# Altium PCB WiCL.PcbDoc (part 1 of 2) (continued)
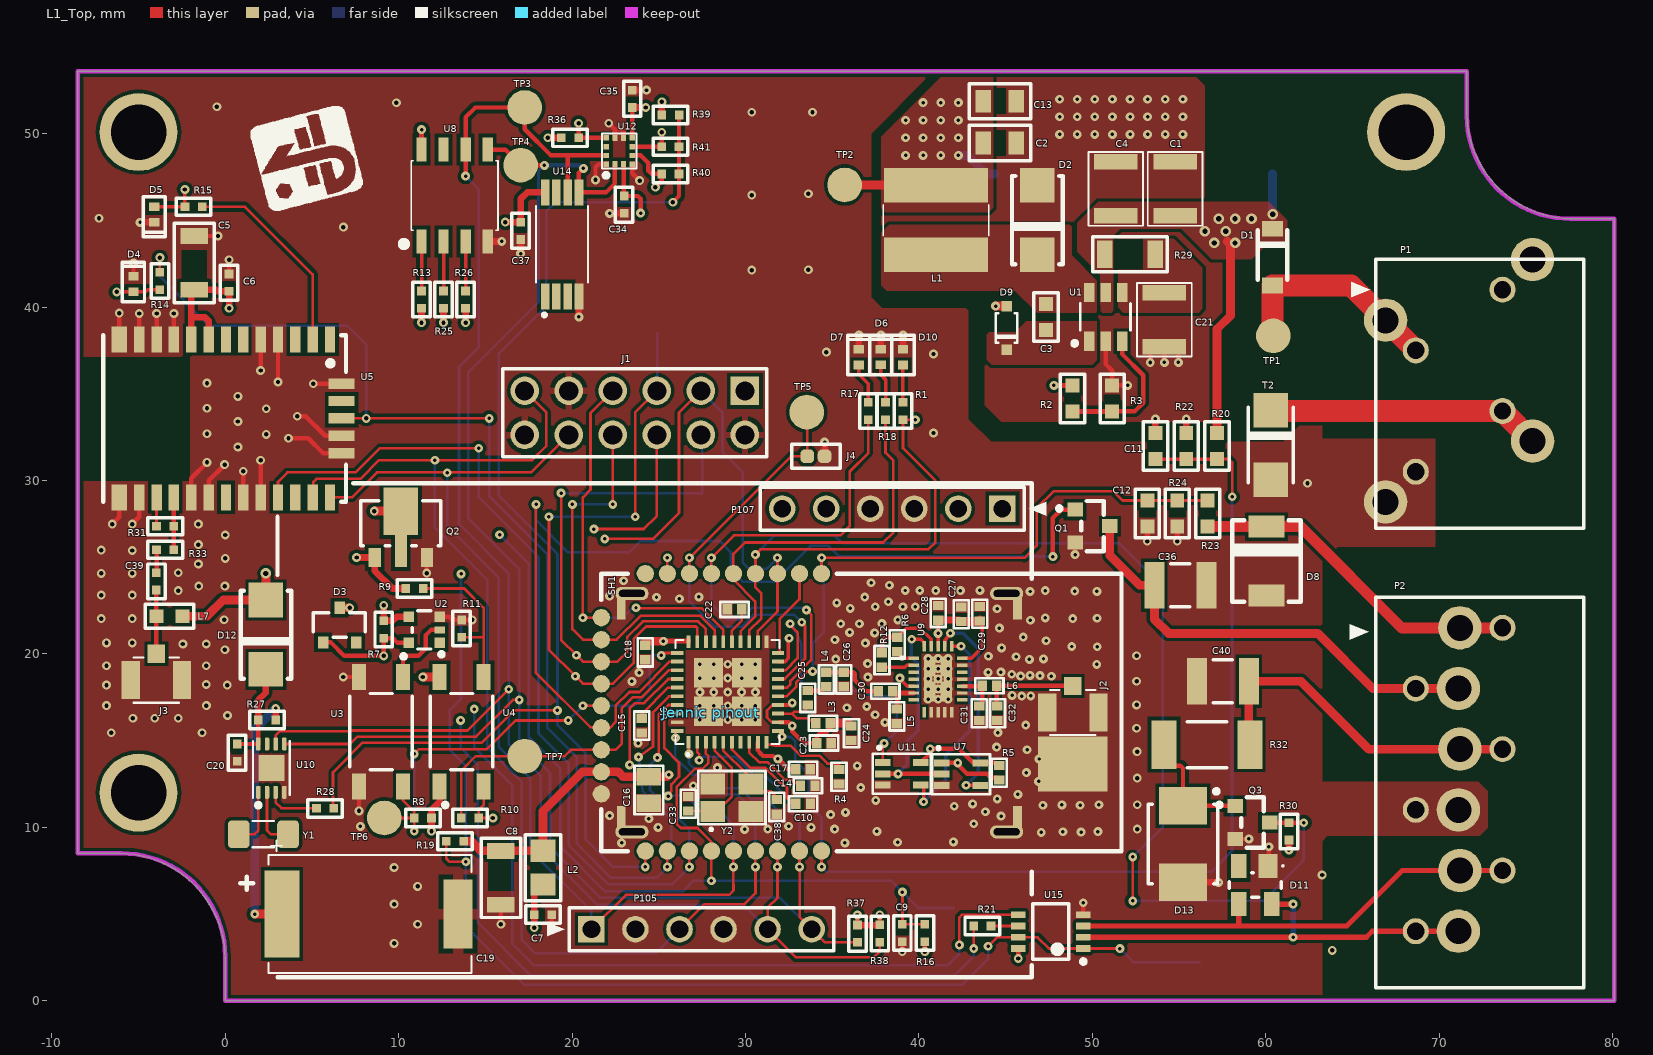
[diagram p0: L1_Top view]
## Components (designator, comment, footprint, x,y, rotation, side; value= is the part's Value field where it differs from the comment) (continued)
R38 "MCS04020C1001FE000" R0402 37.75,3.876 r90 top value=1k
R39 "MCS04020C1001FE000" R0402 25.68,51.083 r180 top value=1k
R40 "CRCW0402330RFKED" R0402 25.671,47.684 r0 top value=330
R41 "CRCW0402330RFKED" R0402 25.671,49.255 r0 top value=330
SH1 "42-100017-01" 42-100017-01(Shield) 34.259,16.617 r180 top locked
T2 "SMAJ22CA" DO-214AC 60.3,32.055 r270 top
TP1 "Test Point_2mm" "Test Point 2mm" 60.448,38.345 r0 top
TP2 "Test Point_2mm" "Test Point 2mm" 35.721,47.049 r270 top
TP3 "Test Point_2mm" "Test Point 2mm" 17.27,51.518 r90 top
TP4 "Test Point_2mm" "Test Point 2mm" 17.035,48.192 r90 top
TP5 "Test Point_2mm" "Test Point 2mm" 33.535,33.951 r0 top
TP6 "Test Point_2mm" "Test Point 2mm" 9.175,10.542 r270 top
TP7 "Test Point_2mm" "Test Point 2mm" 17.27,14.102 r90 top
TP8 "Test Point_3mm" "Test Point 3mm" 60.404,47.684 r90 bottom
TP9 "Test Point_3mm" "Test Point 3mm" 44.357,47.684 r90 bottom
TP10 "Test Point_3mm" "Test Point 3mm" 52.445,47.684 r90 bottom
TP11 "Test Point_3mm" "Test Point 3mm" 56.194,2.229 r90 bottom
TP12 "Test Point_3mm" "Test Point 3mm" 27.513,29.277 r90 bottom
TP13 "Test Point_3mm" "Test Point 3mm" 24.908,38.483 r90 bottom
TP14 "Test Point_3mm" "Test Point 3mm" 41.995,5.35 r90 bottom
U1 "MCP16301T-I/CHY" SOT-23-6 50.77,39.437 r0 top
U2 "PSSI2021SAY,115" SOT353 11.473,21.388 r0 top
U3 "LTV-357T" "4SMD(gull wing)" 8.984,15.52 r270 top
U4 "LTV-357T" "4SMD(gull wing)" 13.632,15.52 r90 top
U5 "SIM33ELA" SIM33ELA -0.034,33.587 r270 top
U6 "JN5169/001Z" QFN_JN5169_44P 28.97,17.809 r90 top
U7 "74AHC1G32GW,125" SC70_5 42.433,13.072 r270 top
U8 "M24C32-RMN6TP" 8-SOIC 13.225,46.44 r0 top
U9 "SE2431L-R" QFN_SE2431_28P 41.108,18.551 r0 top
U10 "PCF85063TP/1Z" SON9P50_200X300X80L40X24T150N 2.659,13.416 r0 top
U11 "74AHC1G32GW,125" SC70_5 39.009,13.088 r270 top
U12 "KX122-1037" KX122-1037 22.725,49.005 r90 top
U14 "ATSHA204A-XHDA-T" "TSSOP-8 (wide Body)" 19.423,43.62 r0 top
U15 "SN74LVC2G241DCTR" DCT0008A_L 47.609,3.988 r180 top
Y1 "FC-13532.7680KA-AG5" XTAL320X150X80L75X150N 2.201,9.606 r180 top value=32.768kHz
Y2 "ABM8-32.000MHZ-9-D1G-T" XTAL_3225 29.218,11.711 r0 top value=32MHz

## Footprints (in the part's own frame and the unit in brackets; to place one, negate y for a bottom-side part, rotate by r counter-clockwise, add the part's x,y. Pads: shape width x height; smd on the part's side, far side on the other; paste and mask are expansions set on the pad)
"4SMD(gull wing)" [mm]
  rect 1.5x0.8 smd: 1(-3.15,1.27) 2(-3.15,-1.27) 3(3.15,-1.27) 4(3.15,1.27)
  silkscreen extent -2.2,-1.8 2.2,1.8, body extent -3.5,-1.8 3.5,1.8, height 2
8-SOIC [mm] "IC EEPROM 32KBIT 400KHZ 8SO"
  rect 0.6x1.4 smd: 1(-1.905,-2.65) 2(-0.635,-2.65) 3(0.635,-2.65) 4(1.905,-2.65) 5(1.905,2.65) 6(0.635,2.65) 7(-0.635,2.65) 8(-1.905,2.65)
  silkscreen extent -3.1,-2.97 2.5,2, body extent -2.45,-3 2.45,3, height 1.7
42-100017-01(Shield) [mm]
  rect 0.5x1.75 smd: 1(-11.428,-6.249) 1(-11.428,6.249) 1(11.428,6.249) 1(11.428,-6.249)
  rect 1.75x0.5 smd: 1(-10.803,6.874) 1(-10.803,-6.874) 1(10.804,-6.874) 1(10.804,6.874)
"0603 INDUCTOR" [mm]
  rect 0.8x0.8 smd: 1(-0.75,0) 2(0.75,0)
  L1_Top pour cut-out: -0.254,0.508 0.254,0.508 0.254,-0.508 -0.254,-0.508
  silkscreen extent -1.4,-0.7 1.4,0.7, body extent -0.8,-0.4 0.8,0.4, height 0.8
"0603 Jumper" [mm]
  rrect70% 0.8x0.8 smd: 1(-0.5,0) 2(0.5,0)
  silkscreen extent -1.4,-0.7 1.4,0.7
"0805 INDUCTOR" [mm]
  rect 1.285x1.47 smd: 1(-0.973,0) 2(0.973,0)
  silkscreen extent -1.9,-1.02 1.91,1.02, body extent -1,-0.6 1,0.6, height 0.95
"1985218 (4pin)" [mm]
  round 1.5 hole 1: 1(0,0) 2(-3.5,5) 3(-7,0) 4(-10.5,5)
  silkscreen extent -13.75,-4.7 1.75,8.73, body extent -13.85,-4.7 1.65,7.3, height 13.1
"1985234 (6 PIN)" [mm] "Connector; Header; 6 Position"
  round 1.5 hole 1: 1(8.75,-2.5) 2(5.25,2.5) 3(1.75,-2.5) 4(-1.75,2.5) 5(-5.25,-2.5) 6(-8.75,2.5)
  silkscreen extent -12,-7.2 10.5,6.32, body extent -11.96,-7.27 10.54,4.73, height 13.4
61301221121 [mm]
  rect 1.65x1.65 hole 1.1: 1(-6.35,0)
  round 1.65 hole 1.1: 2(-6.35,2.54) 3(-3.81,0) 4(-3.81,2.54) 5(-1.27,0) 6(-1.27,2.54) 7(1.27,0) 8(1.27,2.54) 9(3.81,0) 10(3.81,2.54) 11(6.35,0) 12(6.35,2.54)
  silkscreen extent -7.62,-1.27 7.62,3.81, body extent -7.62,-1.27 7.62,3.81, height 8.57
C0402 [mm]
  rect 0.5x0.5 smd: 1(-0.5,0) 2(0.5,0)
  L1_Top pour cut-out: -0.127,0.381 0.127,0.381 0.127,-0.381 -0.127,-0.381
  silkscreen extent -1,-0.5 1,0.5, body extent -0.5,-0.26 0.5,0.27, height 0.36
C0402_1 [mil] "C0402"
  rect 21x24 smd: 1(-16.5,0) 2(16.5,0)
  L1_Top pour cut-out: -4,17 -4,-17 4,-17 4,17
  silkscreen extent -32,-17 32,17
C0603 [mm]
  rect 0.8x0.8 smd: 1(-0.75,0) 2(0.75,0)
  L1_Top pour cut-out: -0.254,0.508 0.254,0.508 0.254,-0.508 -0.254,-0.508
  silkscreen extent -1.4,-0.7 1.4,0.7, body extent -0.8,-0.42 0.8,0.44, height 0.95
C0805 [mm]
  rect 0.9x1.3 smd: 1(-0.95,0) 2(0.95,0)
  L1_Top pour cut-out: 0.381,0.762 -0.381,0.762 -0.381,-0.762 0.381,-0.762
  silkscreen extent -1.78,-1.02 1.78,1.02, body extent -1,-0.6 1,0.6, height 0.8
C0805_1 [mil] "C0805"
  rect 40x55 smd: 1(-30,0) 2(30,0)
  L1_Top pour cut-out: -10,-32.5 -10,32.5 10,32.5 10,-32.5
  silkscreen extent -55,-33 55,33
C1206 [mm]
  rect 0.9x1.6 smd: 1(-1.55,0) 2(1.55,0)
  L1_Top pour cut-out: 0.762,0.762 -0.762,0.762 -0.762,-0.762 0.762,-0.762
  silkscreen extent -2.29,-1.14 2.29,1.14, body extent -1.6,-0.8 1.6,0.8, height 0.95
C1210 [mm]
  rect 0.9x2.5 smd: 1(-1.55,0) 2(1.55,0)
  silkscreen extent -2.13,-1.58 2.12,1.57, body extent -1.6,-1.25 1.6,1.25, height 1.3
CAPC1210(3225)190_N [mm] "Chip Capacitor, Body 3.2x2.5mm, Height 1.9mm, IPC Medium Density"
  rect 1.15x2.7 smd: 1(-1.5,0) 2(1.5,0)
  silkscreen extent -0.55,-1.25 0.55,1.25, body extent -1.7,-1.35 1.7,1.35, height 1.9
DCT0008A_L [mm] "SOP, 8-Leads, Body 2.9x3.2mm, Pitch 0.65mm, IPC High Density"
  rrect25% 0.85x0.4 smd: 1(-1.875,0.975) 2(-1.875,0.325) 3(-1.875,-0.325) 4(-1.875,-0.975) 5(1.875,-0.975) 6(1.875,-0.325) 7(1.875,0.325) 8(1.875,0.975)
  silkscreen extent -2,-1.6 1.05,1.85, body extent -2.01,-1.47 2.01,1.48, height 1.3
"DO-214AA, SMB" [mil]
  rect 50x82 smd: 1(-78,0) 2(78,0)
  silkscreen extent -93,-78 93,78, body extent -110,-78 110,78, height 102
DO-214AC [mm]
  rect 2x2 smd: 1(-2,0) 2(2,0)
  silkscreen extent -2.16,-1.3 2.16,1.3, body extent -2.5,-1.38 2.5,1.32, height 2.25
"DO-214AC, SMA" [mm]
  rect 2x2 smd: 1(-2,0) 2(2,0)
  silkscreen extent -2.54,-1.46 2.54,1.46, body extent -2.5,-1.35 2.5,1.35, height 2.25
ELNA_DSK-3R3H334T-HL [mm]
  rect 5x2 smd: 1(0,5.075)
  rect 4x1.7 smd: 2(0,-5.075)
  silkscreen extent -3.4,-5.85 4.25,5.85, body extent -3.4,-5.84 3.4,5.86, height 2.8
FP-CRCW2010-e3-MFG [mm]
  rect 1.45x2.8 smd paste+0 mask+0: 1(-2.475,0) 2(2.475,0)
  silkscreen extent -1.14,-1.33 1.15,1.33, body extent -3.3,-1.5 3.3,1.5, height 0.25
HDR1X6 [mm]
  rect 1.53x1.53 hole 1.02: 1(-6.35,0)
  round 1.53 hole 1.02: 2(-3.81,0) 3(-1.27,0) 4(1.27,0) 5(3.81,0) 6(6.35,0)
  silkscreen extent -8.89,-1.25 7.62,1.24, body extent -7.62,-1.24 7.62,1.24, height 8.38
HIROSE_U.FL-R-SMT [mm]
  rect 1x1.05 smd: 1(0,-1.525)
  rect 1.05x2.2 smd: 2(-1.475,0) 2(1.475,0)
  silkscreen extent -1.3,-1.3 1.3,1.3, body extent -1.5,-1.53 1.5,1.57, height 1.25
"JN516X PINOUT" [mm]
  round 1 smd: 1(-8,6.35) 2(-8,5.08) 3(-8,3.81) 4(-8,2.54) 5(-8,1.27) 6(-8,0) 7(-8,-1.27) 8(-8,-2.54) 9(-8,-3.81) 10(-5.46,-6.35) 11(-4.19,-6.35) 12(-2.92,-6.35) 13(-1.65,-6.35) 14(-0.38,-6.35) 15(0.89,-6.35) 16(2.16,-6.35) 17(3.43,-6.35) 18(4.7,-6.35) 19(8,-3.81) 20(8,-2.54) 21(8,-1.27) 22(8,0) 23(8,1.27) 24(8,2.54) 25(8,3.81) 26(8,5.08) 27(8,6.35)
  silkscreen extent -8,-6.35 8,23.65
KX122-1037 [mm]
  rect 0.325x0.3 smd: 1(-0.763,0.75) 2(-0.75,0.25) 3(-0.75,-0.25) 4(-0.763,-0.75) 7(0.763,-0.75) 8(0.75,-0.25) 9(0.75,0.25) 10(0.763,0.75)
  rect 0.3x0.325 smd: 5(-0.25,-0.75) 6(0.25,-0.75) 11(0.25,0.75) 12(-0.25,0.75)
  silkscreen extent -1.52,-1 1,1, body extent -1,-1 1,1, height 1
LED0402(BLUE) [mm]
  rect 0.5x0.6 smd: 1(-0.45,0) 2(0.45,0)
  silkscreen extent -1.27,-0.64 1.02,0.64, body extent -0.5,-0.3 0.5,0.3, height 0.2
LED0402(GREEN) [mm]
  rect 0.5x0.6 smd: 1(-0.45,0) 2(0.45,0)
  silkscreen extent -1.27,-0.64 1.02,0.64, body extent -0.5,-0.3 0.5,0.3, height 0.2
LED0402(RED) [mm]
  rect 0.5x0.6 smd: 1(-0.45,0) 2(0.45,0)
  silkscreen extent -1.27,-0.63 1.02,0.64, body extent -0.5,-0.25 0.51,0.25, height 0.45
LFUS-SOT143-4_V [mm] "SOT143, 4-Leads, Body 3.04x1.4mm, Pitch 1.90mm"
  rect 1.4x1.1 smd: 1(-1.1,0.75)
  rect 1.4x0.9 smd: 2(-1.1,-0.95) 3(1.1,-0.95) 4(1.1,0.95)
  silkscreen extent -1.15,-1.5 0.7,1.65, body extent -0.7,-1.52 0.7,1.52, height 1.22
MSS6132-153MLC [mm]
  rect 2x6 smd: 1(-2,0) 2(2,0)
  silkscreen extent -0.89,-3.05 0.89,3.05, body extent -3.05,-3.05 3.05,3.05, height 2.85
ONSC-SMB-2-403A-03_H_V [mm] "Molded, 2-Leads, Body 4.6x3.95mm"
  rect 2.159x2.743 smd: 1(-2.21,0) 2(2.21,0)
  silkscreen extent -3.16,-2 2.3,2.05, body extent -2.3,-1.98 2.3,1.97, height 2.42
QFN_JN5169_44P [mm] "QFN_JN5169_44P"
  rect 0.7x0.22 smd: 1(-2.9,2.25) 2(-2.9,1.75) 3(-2.9,1.25) 4(-2.9,0.75) 5(-2.9,0.25) 6(-2.9,-0.25) 7(-2.9,-0.75) 8(-2.9,-1.25) 9(-2.9,-1.75) 10(-2.9,-2.25) 21(2.9,-2.25) 22(2.9,-1.75) 23(2.9,-1.25) 24(2.9,-0.75) 25(2.9,-0.25) 26(2.9,0.25) 27(2.9,0.75) 28(2.9,1.25) 29(2.9,1.75) 30(2.9,2.25)
  rect 0.22x0.7 smd: 11(-2.25,-2.9) 12(-1.75,-2.9) 13(-1.25,-2.9) 14(-0.75,-2.9) 15(-0.25,-2.9) 16(0.25,-2.9) 17(0.75,-2.9) 18(1.25,-2.9) 19(1.75,-2.9) 20(2.25,-2.9) 31(2.25,2.9) 32(1.75,2.9) 33(1.25,2.9) 34(0.75,2.9) 35(0.25,2.9) 36(-0.25,2.9) 37(-0.75,2.9) 38(-1.25,2.9) 39(-1.75,2.9) 40(-2.25,2.9)
  rect 1.7x1.7 smd: 41(-1.1,-1.1) 41(-1.1,1.1) 41(1.1,-1.1) 41(1.1,1.1)
  silkscreen extent -3.63,-3 3,3
QFN_SE2431_28P [mm] "QFN_SE2431_28P"
  rect 0.6x0.2 smd: 1(-1.4,1.2) 2(-1.4,0.8) 3(-1.4,0.4) 4(-1.4,0) 5(-1.4,-0.4) 6(-1.4,-0.8) 7(-1.4,-1.2) 13(1.4,-1.2) 14(1.4,-0.8) 15(1.4,-0.4) 16(1.4,0) 17(1.4,0.4) 18(1.4,0.8) 19(1.4,1.2)
  rect 0.2x0.6 smd: 8(-0.8,-1.9) 9(-0.4,-1.9) 10(0,-1.9) 11(0.4,-1.9) 12(0.8,-1.9) 20(0.8,1.9) 21(0.4,1.9) 22(0,1.9) 23(-0.4,1.9) 24(-0.8,1.9)
  rect 0.65x1.15 smd: 25(-0.475,0.725) 25(-0.475,-0.725) 25(0.475,-0.725) 25(0.475,0.725)
  silkscreen extent -2.11,1.19 -2.06,1.24
R0402 [mm]
  rect 0.5x0.5 smd: 1(-0.5,0) 2(0.5,0)
  L1_Top pour cut-out: -0.127,0.381 0.127,0.381 0.127,-0.381 -0.127,-0.381
  silkscreen extent -1,-0.5 1,0.5, body extent -0.5,-0.25 0.5,0.25, height 0.4
R0603 [mm]
  rect 0.8x0.8 smd: 1(-0.75,0) 2(0.75,0)
  L1_Top pour cut-out: -0.254,0.508 0.254,0.508 0.254,-0.508 -0.254,-0.508
  silkscreen extent -1.4,-0.7 1.4,0.7, body extent -0.77,-0.42 0.78,0.43, height 0.45
R1206 [mm]
  rect 0.9x1.6 smd: 1(-1.45,0) 2(1.45,0)
  L1_Top pour cut-out: -0.762,0.889 -0.762,-0.889 0.762,-0.889 0.762,0.889
  silkscreen extent -2.16,-1.02 2.16,1.02, body extent -1.6,-0.8 1.6,0.8, height 0.55
SC70_5 [mm] "SC70_5"
  rect 0.4x0.9 smd: 1(-0.65,-1.1) 2(0,-1.1) 3(0.65,-1.1) 4(0.65,1.1) 5(-0.65,1.1)
  silkscreen extent -1.56,-1.68 1.15,1.68
SIM33ELA [mm]
  rect 1.5x0.6 smd: 1(-4.55,6.075) 2(-4.55,5.075) 3(-4.55,4.075) 4(-4.55,3.075) 5(-4.55,2.075) 6(-4.55,1.075) 7(-4.55,0.075) 8(-4.55,-0.925) 9(-4.55,-1.925) 10(-4.55,-2.925) 11(-4.55,-3.925) 12(-4.55,-4.925) 15(4.55,-4.925) 16(4.55,-3.925) 17(4.55,-2.925) 18(4.55,-1.925) 19(4.55,-0.925) 20(4.55,0.075) 21(4.55,1.075) 22(4.55,2.075) 23(4.55,3.075) 24(4.55,4.075) 25(4.55,5.075) 26(4.55,6.075)
  rect 1.5x0.9 smd: 13(-4.55,-6.075) 14(4.55,-6.075)
  rect 0.6x1.5 smd: 27(2,6.75) 28(1,6.75) 29(0,6.75) 30(-1,6.75) 31(-2,6.75)
  silkscreen extent -4.8,-7 4.8,7, body extent -4.8,-7.1 4.8,6.87, height 2.25
SOD123 [mm]
  rect 0.91x1.22 smd: 1(-1.635,0.028) 2(1.635,0.028)
  silkscreen extent -1.54,-0.82 1.31,0.88, body extent -1.85,-0.77 1.85,0.78, height 1.35
SOD-323 [mm]
  rect 0.6x0.6 smd: 1(-1.25,-0.01) 2(1.25,-0.01)
  L1_Top pour cut-out: -0.254,0.508 0.381,0.508 0.381,-0.508 -0.254,-0.508
  silkscreen extent -0.85,-0.63 0.85,0.63, body extent -1.25,-0.64 1.25,0.61, height 0.98
SON9P50_200X300X80L40X24T150N [mm] "Small Outline No-Lead (SON with Tab), 0.50 mm pitch; 8 pin, 2.00 mm L X 3.00 mm W X 0.80 mm H body"
  rrect54% 0.26x0.74 smd: 1(-0.75,-1.395) 2(-0.25,-1.395) 3(0.25,-1.395) 4(0.75,-1.395) 5(0.75,1.395) 6(0.25,1.395) 7(-0.25,1.395) 8(-0.75,1.395)
  rect 1.5x1.5 smd paste-1.5: 9(0,0)
  silkscreen extent -1.06,-2.26 1.06,1.55, body extent -1,-1.55 1,1.55, height 0.8
SOT353 [mm]
  rect 0.6x0.6 smd: 1(0.9,-0.75) 3(0.9,0.75) 4(-0.9,0.75) 5(-0.9,-0.75)
  rect 0.6x0.4 smd: 2(0.9,0)
  silkscreen extent -0.67,-1.1 0.38,1.1, body extent -1.15,-1.05 1.15,1.05, height 1
"SOT 89-3" [mm]
  rect 0.7x1.1 smd: 1(1.5,-1.338) 2(0,-1.338) 3(-1.5,-1.338)
  rect 0.7x0.75 smd: 2(0,-0.413)
  rect 2x2.75 smd: 2(0,1.337)
  silkscreen extent -2.3,-0.67 2.3,1.93, body extent -2.25,-1.68 2.25,2.57, height 1.54
SOT-23(TO-236AB) [mm]
  rect 0.6x0.7 smd: 1(-0.95,-1) 2(0.95,-1) 3(0,1)
  silkscreen extent -1.52,-0.7 1.48,0.7, body extent -1.45,-1.21 1.45,1.21, height 0.98
SOT-23-3 [mm]
  rect 0.8x0.9 smd: 1(-0.95,-1) 2(0.95,-1) 3(0,1)
  silkscreen extent -1.45,-2.03 1.45,0.65, body extent -1.46,-1.25 1.46,1.23, height 1.01
SOT-23-6 [mm]
  rect 0.6x1.1 smd: 1(-0.95,-1.4) 2(0,-1.4) 3(0.95,-1.4) 4(0.95,1.4) 5(0,1.4) 6(-0.95,1.4)
  silkscreen extent -1.9,-1.65 1.44,0.78, body extent -1.45,-1.4 1.45,1.4, height 1.45
"Test Point 2mm" [mm]
  round 2 smd: 1(0,0)
"Test Point 3mm" [mm]
  round 3 smd: 1(0,0)
"TSSOP-8 (wide Body)" [mm]
  rect 0.5x1.51 smd: 1(-0.975,-3) 2(-0.325,-3) 3(0.325,-3) 4(0.975,-3) 5(0.975,3) 6(0.325,3) 7(-0.325,3) 8(-0.975,3)
  silkscreen extent -1.5,-4.16 1.5,2.2, body extent -1.5,-3.2 1.5,3.2, height 1.2
U.FL-R-SMT-1(10) [mm]
  rect 1x1.05 smd: 1(0,-1.525)
  rect 1.05x2.2 smd: 2(-1.475,0) 2(1.475,0)
  silkscreen extent -1.3,-1.3 1.3,1.3, body extent -1.5,-1.53 1.5,1.57, height 1.25
XTAL320X150X80L75X150N [mm] "CRYSTAL; 3.20 mm L X 1.50 mm W X 0.80 mm H body"
  rrect40% 1.26x1.61 smd: 1(-1.425,0) 2(1.425,0)
  silkscreen extent -0.62,-0.75 0.62,0.75, body extent -1.6,-0.75 1.6,0.75, height 0.8
XTAL_3225 [mil] "XTAL_3225"
  rect 56x48 smd: 1(-43.31,-31.5) 2(43.31,-31.5) 3(43.31,31.5) 4(-43.31,31.5)
  silkscreen extent -76,-73 76,60

## Part data
C1 C4 C21: library part UMK325B7475KM-T, "CAP CER 4.7UF 50V X7R 1210", RATING=50V, MFT="Taiyo Yuden", MPN=UMK325B7475KM-T, TYPE=SMD
C2 C13: library part JMK212B7106KG-T, "CAP CER 10UF 6.3V X7R 0805", RATING=6.3V, MFT="Taiyo Yuden", MPN=JMK212B7106KG-T, TYPE=SMD
C3: library part 06033C104JAT2A, "CAP CER 0.1UF 25V X7R 0603", RATING=25V, MFT="Kyocera AVX", MPN=06033C104JAT2A, TYPE=SMD
C5 C8: "CAP CER 10UF 16V X7R 1206", RATING=16V, MFT="Murata Electronics North America", MPN=GRM31CR71C106KAC7L, TYPE=SMD
C6 C7 C9 C20 C34 C35 C37: "CAP CER 0.1UF 50V X7R 0402", RATING=50V, MFT="Murata Electronics North America", MPN=GRM155R71H104ME14D, TYPE=SMD
C10 C15 C17 C18 C22 C23 C27: "CAP CER 0.1UF 10V 10% X5R 0402", RATING=10V, MFT="Murata Electronics North America", MPN=GRM155R61A104KA01D, TYPE="Surface Mount"
  C22: LOAD=DNP
C11 C12: "CAP CER 0.22UF 50V X7R 0603", RATING=50V, MFT="Murata Electronics North America", MPN=GCM188R71H224KA64D, TYPE="Surface Mount, MLCC"
C14: "CAP CER 10000PF 25V X7R 0402", RATING=25V, MFT="Murata Electronics North America", MPN=GRM155R71E103KA01D, TYPE=SMD
C16: "CAP CER 10UF 10V X5R 0805", RATING=10V, MFT=Murata, MPN=GRT21BR61A106KE01L, TYPE=SMD
C19: "CAP 330MF -20% +80% 3.3V SMD", RATING=3.3V, APN=CY-330M33A-X1-Z, MFT=Elna, MPN=DSK-3R3H334T-HL, TYPE=SMD
C24: "CAP CER 47PF 50V C0G/NP0 0402", RATING=50V, MFT=Murata, MPN=GRM1555C1H470JA01D, TYPE=SMD
C25: "CAP CER 1.8PF 50V C0G/NP0 0402", RATING=50V, MFT=Murata, MPN=GRM1555C1H1R8CA01D, TYPE=SMD
C26: "CAP CER 1PF 50V C0G/NP0 0402", RATING=50V, MFT=Murata, MPN=GRM1555C1H1R0CA01D, TYPE=SMD
C28 C29: "CAP CER 10PF 50V 5% NP0 0402", RATING=50V, MFT="Murata Electronics North America", MPN=GRM1555C1H100JA01D, TYPE="Surface Mount"
C30 C31 C32: "CAP CER 1.2PF 50V C0G/NP0 0402", RATING=50V, MFT=Murata, MPN=GRM1555C1H1R2CA01D, TYPE=SMD
C33 C38: "CAP CER 12PF 50V C0G/NP0 0402", RATING=50V, MFT=Murata, MPN=GRM1555C1H120JA01D, TYPE=SMD
C36 C40: library part CMP-1038-01323-1, "CAP 22nF 500V ±10% 1210 (3225 Metric) Thickness 1.9mm SMD", Case-EIA=1210, Case-Metric=3225, Rated Voltage="500 V", Tolerance=Â±10%, Max Thickness="1.9 mm", Technology=SMT
C39: "CAP CER 22PF 50V NP0 0402", RATING=50V, FUNCTION=GPS, MFT="Murata Electronics North America", MPN=GRM1555C1H220JA01J, TYPE=SMD
D1: "DIODE SCHOTTKY 20V 0.5A SOD123", Capacitance=2.2µF, Capacitance @ Vr, F=-, Current - Average Rectified (Io)=500mA, Current - Reverse Leakage @ Vr="250µA @ 20V", Manufacturer="Fairchild Semiconductor", Operating Temperature="-55°C ~ 125°C", Operating Temperature - Junction="-65°C ~ 125°C", Package / Case=SOD-123, Ratings=AEC-Q200, Supplier Part Number 1=MBR0520LCT-ND, Temperature Coefficient=X7S, Tolerance=±20%, Voltage - DC Reverse (Vr) (Max)=20V, Voltage - Forward (Vf) (Max) @ If="385mV @ 500mA", Voltage - Rated=100V, Applications=Automotive, Category="Discrete Semiconductor Products", ComponentLink1Description=http://www.fairchildsemi.com/datasheets/MB/MBR0520L.pdf, ComponentLink1URL=http://www.fairchildsemi.com/datasheets/MB/MBR0520L.pdf, ComponentLink2Description=https://product.tdk.com/info/en/catalog/datasheets/mlcc_automotive_midvoltage_en.pdf, ComponentLink2URL=https://product.tdk.com/info/en/catalog/datasheets/mlcc_automotive_midvoltage_en.pdf, Diode Type=Schottky, Features=-, Height - Seated (Max)=-, Lead Spacing=-, Lead Style=-, Manufacturer Part Number=MBR0520L, Mounting Type="Surface Mount", Packaging="Cut Tape (CT)", Pricing 1="1=0.26, 10=0.232, 25=0.1668, 100=0.1297, 250=0.08152, 500=0.06946, 1000=0.04732 (GBP)", Pricing 2="1=0.84, 10=0.804, 100=0.39, 250=0.324, 500=0.294, 1000=0.27 (USD)", Reverse Recovery Time (trr)=-, RoHS="RoHS Compliant", Size / Dimension="0.126\" L x 0.063\" W (3.20mm x 1.60mm)", Speed="Fast Recovery =< 500ns, > 200mA (Io)", Stock 1=251227, Stock 2=9462, Supplier 1=Digi-Key, Supplier 2=Digi-Key, Supplier Device Package=SOD-123, Thickness (Max)="0.071\" (1.80mm)"
D2 D12: library part B140-13-F, "DIODE SCHOTTKY 40V 1A SMA", RATING=40V, MFT=Diodes, MPN=B140-13-F, TYPE=SMD
D3: "DIODE ZENER 3V 250MW TO236AB", Current - Reverse Leakage @ Vr="10µA @ 1V", Manufacturer="NXP Semiconductors", Operating Temperature="-65°C ~ 150°C", Package / Case="TO-236-3, SC-59, SOT-23-3", Power - Max=250mW, Supplier Device Package="SOT-23 (TO-236AB)", Supplier Part Number 1=568-6326-1-ND, Tolerance=±5%, Voltage - Forward (Vf) (Max) @ If="900mV @ 10mA", Voltage - Zener (Nom) (Vz)=3V, Category="Discrete Semiconductor Products", ComponentLink1Description=http://www.nxp.com/documents/data_sheet/BZX84_SER.pdf, ComponentLink1URL=http://www.nxp.com/documents/data_sheet/BZX84_SER.pdf, Impedance (Max) (Zzt)="95 Ohm", Manufacturer Part Number=BZX84-C3V0,215, Mounting Type="Surface Mount", Packaging="Cut Tape (CT)", Pricing 1="1=0.16, 10=0.149, 25=0.1352, 100=0.0973, 250=0.05732, 500=0.04756, 1000=0.03245 (USD)", RoHS="RoHS Compliant", Stock 1=18717, Supplier 1=Digi-Key
D4: library part VLMB1500-GS08, "LED BLUE 0402 SMD", LOAD=DNP, MFT="Vishay Semiconductor Opto Division", MPN=VLMB1500-GS08, TYPE=SMD
D5: library part XZVG68W-2, "LED GREEN CLEAR CHIP SMD", LOAD=DNP, MFT=SunLED, MPN=XZVG68W-2, TYPE=SMD
D6: "LED BLUE 0402 SMD", MFT="Vishay Semiconductor Opto Division", MPN=VLMB1500-GS08, TYPE=SMD
D7: "LED RED 0402 SMD", MFT="Vishay Semiconductor Opto Division", MPN=VLMS1500-GS08, TYPE=SMD
D8: "TVS DIODE 33VWM 53.3VC SMB", RATING=33V, MFT="Micro Commercial Co", MPN=SMBJ33A-TP, TYPE="Surface Mount"
D9: "DIODE GEN PURP 75V 250MA SOD323", RATING=75V, MFT=Diodes, MPN=1N4448WS-7-F, TYPE=SMD
D10: "LED GREEN CLEAR CHIP SMD", MFT=SunLED, MPN=XZVG68W-2, TYPE=SMD
D11: library part CMP-2000-05191-1, "TVS Diode Array, 30 pF, 30 KV, -40 to 85 degC, 4-Pin SOT143, RoHS, Tape and Reel", Capacitance Value=30pF, Clamping Voltage=8V, Leakage Current=0.1uA, Manufacturer=Littelfuse, Operating Temp Range=-40Cto85C, Operating Temperature Classification=Industrial, Operating Temperature Max Deg. C=85C, Operating Temperature Min Deg. C=-40C, Package / Case=SOT-143, Reverse Stand-off Voltage=5.5(Min)V, Working Voltage=5.5V, Working Voltage (Max)=5.5V(Min), Clamping Voltage (Max)=8V, Configuration=Triple, Datasheet URL=https://datasheet.ciiva.com/15143/getdatasheetpartid-116020-15143550.pdf, Datasheet Version=Dec-13, Direction Type=Uni-Directional, Leakage Current (Max)=0.1uA, Manufacturer URL=http://www.littelfuse.com/, Mounting=SurfaceMount, Mounting Style=SurfaceMount, Number of Elements=3, Package Type=SOT-143, Packaging=TapeandReel, Pin Count=3+Tab, Polarity=Uni-Directional, Product Depth (mm)=1.4mm, Product Height (mm)=1.05mm, Product Length (mm)=3.04mm, Rad Hardened=No, Suppressor Type=TVS
D13: library part CMP-1060-00216-1, "3 W Zener Voltage Regulator, 2-Pin SMB, Pb-Free, Tape and Reel", Manufacturer="On Semiconductor", ComponentLink1Description="Manufacturer URL", ComponentLink1URL=http://www.onsemi.com/, ComponentLink2Description=Datasheet, ComponentLink2URL=http://www.onsemi.com/pub_link/Collateral/1SMB5913BT3-D.PDF, ComponentLink3Description="Package Specification", ComponentLink3URL=http://www.onsemi.com/pub_link/Collateral/1SMB5913BT3-D.PDF, DatasheetVersion="Rev. 8", Mounting Technology="Surface Mount", PackageDescription="2-Pin Small Molded Package, J-Bend Lead, Body 4.33 x 3.625 mm", PackageReference=SMB-2-403A-03_H, PackageVersion="Rev. H, 05/2011", Packing="Tape and Reel", PartNumber=SZ1SMB5925BT3G, RoHS=Pb-Free, VZ Typ (V)=10
J1: library part 61301221121, "CONN HEADER VERT 12POS 2.54MM", MFT="Wurth Electronics", MPN=61301221121, TYPE=TH
J2: "RF Connectors / Coaxial Connectors SMT MALE RECEPT AU", APN=JX-001UFL-80, MFT=Hirose, MPN=U.FL-R-SMT-1(80), TYPE=SMD
J3: "CONN UMC JACK STR 50 OHM SMD", FUNCTION=GPS, MFT="Hirose Electric Co Ltd", MPN=U.FL-R-SMT-1(10)
L1: library part MSS6132-153MLC, "Fixed Inductors MSS6132 AEC-Q200 15 uH 20 % 2.2 A", MFT=Coilcraft, MPN=MSS6132-153MLC, TYPE=SMD
L2: "FERRITE CHIP 120 OHM 0805", RATING=3A, MFT="Murata Electronics North America", MPN=BLM21PG121SN1D, TYPE="Surface Mount"
L3: "FIXED IND 3NH 190MA 400 MOHM SMD", APN=LZ-00030-L7-00, MFT=Murata, MPN=LQP15MN3N0B02D, TYPE=SMD
L4: "FIXED IND 4.3NH 160MA 600 MOHM", APN=LZ-00431-L7-00, MFT=Murata, MPN=LQP15MN4N3B02D
L5: "Inductor RF Chip ThFIXED IND 5.1NH 140MA 700 MOHM", APN=LZ-00511-L7-00, MFT=Murata, MPN=LQP15MN5N1B02D, TYPE=SMD
L6: "FIXED IND 2.7NH 220MA 300 MOHM", APN=LZ-00271-L7-00, MFT=Murata, MPN=LQP15MN2N7B02D, TYPE=SMD
L7: "FIXED IND 33NH 100MA 2.8 OHM SMD", RATING="100MA 2.8 OHM", FUNCTION=GPS, MFT="Murata Electronics North America", MPN=LQP18MN33NG02D, TYPE=SMD
P1: "Fixed Terminal Blocks PTSA 1.5/4-3.5-Z", MFT="Phoenix Contact", MPN=1985218, TYPE="Through Hole"
P2: "TERM BLOCK PCB 6POS 3.5MM GREEN", MFT="Phoenix Contact", MPN=1985234, TYPE="Through Hole"
P105 P107: "CONN HEADER 6POS .100 VERT TIN", FUNCTION=TOP, MFT="Molex Inc", MPN=0022284060, TYPE=TH
Q1 Q3: "IC INDCT LOAD DRVR AUTO SOT23", FUNCTION="PWM OUT", MFT="ON Semiconductor", MPN=NUD3124LT1G, TYPE="Surface Mount"
Q2: "TRANS NPN MED 1A 80V SOT89", Current - Collector (Ic) (Max)=1A, Current - Collector Cutoff (Max)=-, DC Current Gain (hFE) (Min) @ Ic, Vce="100 @ 150mA, 2V", Frequency - Transition=180MHz, Manufacturer="NXP Semiconductors", Package / Case=TO-243AA, Power - Max=1.25W, Supplier Device Package=SOT-89-3, Supplier Part Number 1=568-1642-1-ND, Voltage - Collector Emitter Breakdown (Max)=80V, Category="Discrete Semiconductor Products", ComponentLink1Description=http://media.digikey.com/pdf/Data%20Sheets/NXP%20PDFs/BC639,BCP56,BCX56.pdf, ComponentLink1URL=http://media.digikey.com/pdf/Data%20Sheets/NXP%20PDFs/BC639,BCP56,BCX56.pdf, Manufacturer Part Number=BCX56-16,115, Mounting Type="Surface Mount", Packaging="Cut Tape (CT)", Pricing 1="1=0.58, 10=0.406, 25=0.3332, 100=0.2664, 250=0.19404, 500=0.15758 (USD)", RoHS="RoHS Compliant", Stock 1=23673, Supplier 1=Digi-Key, Transistor Type=NPN, Vce Saturation (Max) @ Ib, Ic="500mV @ 50mA, 500mA"
R1 R11 R13 R17 R18 R25 R26 R30 R36 R37 R38 R39: "RES SMD 1K OHM 1% 1/10W 0402", RATING=1/10W, MFT="Vishay Beyschlag", MPN=MCS04020C1001FE000, TYPE=SMD
  R13 R25 R26: DNP=DNP
R2: library part ERJ-3EKF3162V, "RES SMD 31.6K OHM 1% 1/10W 0603", RATING=1/10W, MFT=Panasonic, MPN=ERJ-3EKF3162V, TYPE=SMD
R3: "RES SMD 10K OHM 1% 1/10W 0603", RATING="0.1W, 1/10W", MFT="Panasonic Electronic Components", MPN=ERJ-3EKF1002V, TYPE="Surface Mount"
R4: "RES SMD 43K OHM 1% 1/16W 0402", RATING=1/16W, APN=RQ-0433-R7-C, MFT=Yageo, MPN=RC0402FR-0743KL, TYPE=SMD
R5 R19: "RES SMD 47K OHM 1% 1/16W 0402", RATING=1/16W, APN=RQ-0473-R7-C, MFT=Yageo, MPN=RC0402FR-0747KL, TYPE=SMD
R6: "RES SMD 1.5K OHM 1% 1/16W 0402", RATING="1% 1/16W", APN=RQ-0154-R7-C, MFT=Yageo, MPN=RC0402FR-071K5L, TYPE=SMD
R7: "RES SMD 422 OHM 1% 1/10W 0402", RATING=1/10W, MFT="Panasonic Electronic Components", MPN=ERJ-2RKF4220X, TYPE=SMD
R8: "RES SMD 4.7K OHM 1% 1/16W 0402", RATING=1/16W, MFT=Yageo, MPN=RT0402FRE074K7L, TYPE=SMD
R9 R10 R14 R15 R28 R40 R41: "RES SMD 330 OHM 1% 1/16W 0402", RATING=1/16W, MFT="Vishay Dale", MPN=CRCW0402330RFKED, TYPE=SMD
  R14 R15: DNP=DNP
R12: "RES SMD 1.2K OHM 1% 1/16W 0402", RATING=1/16W, MFT=Yageo, MPN=RC0402FR-071K2L, TYPE=SMD
R16: "RES SMD 4.7K OHM 1% 1/10W 0402", RATING=1/10W, MFT="Vishay Beyschlag", MPN=MCS04020C4701FE000, TYPE=SMD
R20 R23: "RES SMD 68K OHM 0.1% 1/10W 0603", RATING=1/10W, MFT="Panasonic Electronic Components", MPN=ERA-3AEB683V, TYPE=SMD
R21 R27: library part CRCW04020000Z0ED, "RES SMD 0.0OHM JUMPER 1/16W 0402", RATING=63mW, MFT="Vishay Dale", MPN=CRCW04020000Z0ED, TYPE="Surface Mount"
R22 R24: "RES SMD 5.6K OHM 0.1% 1/10W 0603", RATING=1/10W, MFT="Panasonic Electronic Components", MPN=ERA-3AEB562V, TYPE=SMD
R29: library part RNCP1206FTD1K00, "RES 1K OHM 1% 1/2W 1206", RATING=1/2W, MFT="Stackpole Electronics", MPN=RNCP1206FTD1K00, TYPE=SMD
R31 R33: "RES SMD 0.0OHM JUMPER 1/10W 0402", RATING=0.1W, MFT="Vishay Beyschlag", MPN=MCS04020Z0000ZE000, TYPE="Surface Mount"
  R31: LOAD=DNP
R32: library part CMP-02407-006305-1, "RES Thick Film, 470Ω, 5%, 0.75W, 200ppm/°C, 2010", Case Code (Imperial)=2010, Case Code (Metric)=5025, Max Operating Temperature=155°C, Max Power Dissipation=750mW, Min Operating Temperature=-55°C, Package Quantity=4000, Resistance=470R, Temperature Coefficient=200ppm/°C, Tolerance=5%, Voltage Rating=400V, Case/Package=2010, Composition="Thick Film", Contact Plating=Tin, Depth=2.5mm, Features="Automotive AEC-Q200", Height=0.6mm, Lead Free="Lead Free", Length=5mm, Military Standard=Not, Mount="Surface Mount", Number of Terminations=2, Packaging="Tape and Reel", Power Rating=750mW, Radiation Hardening=No, Termination=SMD/SMT, Voltage Rating (DC)=400V, Weight=0.001372oz, Width=0.098inch
SH1: "Shield", MFT=TSC, MPN=42-100017-01, TYPE=SMD
T2: "TVS Diodes - Transient Voltage Suppressors 22Vr 400W 11.3A 5% BiDirectional", RATING="22 V", MFT=Littelfuse, MPN=SMAJ22CA, TYPE=SMD/SMT
TP1 TP2 TP3 TP4 TP5 TP6 TP7: "Test Point 2mm"
TP8 TP9 TP10 TP11 TP12 TP13 TP14: "Test Point 3mm"
U1: "IC REG BUCK ADJ 0.6A SOT23-6", RATING=0.6A, MFT=Microchip, MPN=MCP16301T-I/CHY, TYPE=SMD
U2: "NXP - PSSI2021SAY,115 - IC, CURRENT REGULATOR, 75V, 50MA, 5-SOT-353, FULL REEL", Current Regulator Case Style=SOT-353, Forward Current If=-, Manufacturer=NXP, Power Dissipation Pd=335, Supplier Part Number 1=70R7980, ComponentLink1Description=http://www.farnell.com/datasheets/667515.pdf, ComponentLink1URL=http://www.farnell.com/datasheets/667515.pdf, Forward Current If(AV)=-, Forward Voltage=-, Manufacturer Part Number=PSSI2021SAY,115, No. of Pins=5, Packaging="Tape & Reel", Pricing 1="3000=0.233, 6000=0.216, 15000=0.209, 30000=0.201, 75000=0.197, 150000=0.192 (USD)", RoHS=YES, Stock 1=3000, Supplier 1=Newark
U3 U4: "OPTOISOLATOR 3.75KV TRANS 4-SOP", RATING=3.75KV, MFT="Lite-On Inc.", MPN=LTV-357T, TYPE=SMD
U5: "A-GPS receiver, with built-in Antenna", MFT=SIMCom, MPN=SIM33ELA
U6: "IC RF TXRX+MCU 802.15.4 40-VFQFN", APN=U8-JN5169-X1-01, MFT="NXP Semiconductors", MPN=JN5169/001Z, TYPE=SMD
U7 U11: "IC GATE OR 1CH 2-INP 5TSSOP", APN=UE-74AHC1G32-X1, MFT=Nexperia, MPN=74AHC1G32GW,125, TYPE=SMD
U8: "IC EEPROM 32KBIT 400KHZ 8SO", MFT=STMicroelectronics, MPN=M24C32-RMN6TP, TYPE=SMD
U9: "IC RF FRONT END MOD 2.4GHZ 24QFN", APN=U8-SE2431L-X1, MFT=Skyworks, MPN=SE2431L-R, TYPE=SMD
U10: "Real Time Clock Serial 8-Pin HWSON EP", APN=U8-RTC-SON8, MFT="NXP Semiconductors", MPN=PCF85063TP/1Z, TYPE=SMD
U12: "ACCELEROMETER 2-8G I2C/SPI 12LGA", MFT="Kionix Inc.", MPN=KX122-1037, TYPE=SMD
U14: "IC CRYPTO 4.5KB I2C", MFT="Microchip Technology", MPN=ATSHA204A-XHDA-T, TYPE=SMD
U15: library part CMP-0859-00564-3, "Dual Buffer/Driver With 3-State Outputs, DCT0008A, LARGE T&R", F @ Nom Voltage(Max)(Mhz)=150, Generic Part Number=SN74LVC2G241, ICC @ Nom Voltage(Max)(mA)=0.01, Manufacturer="Texas Instruments", Operating Temperature Range(C)="-40 to 125", RATING=Catalog, tpd @ Nom Voltage(Max)(ns)=8.8,4.8,4.3,3.7, Voltage(Nom)(V)=1.8,2.5,3.3,5, 3-State Output=Yes, Bits(#)=2, DatasheetVersion=SCES210N, Input Type=CMOS/TTL, Logic=True, Output Drive (IOL/IOH)(Max)(mA)=32/-32, Output Type=CMOS, PackageReference=DCT0008A, Schmitt Trigger=No, Sub-Family="Non-Inverting Buffer/Driver", Technology Family=LVC, VCC(Max)(V)=5.5, VCC(Min)(V)=1.65
Y1: "CRYSTAL 32.7680 KHZ 7.0PF SMD", APN=XZ-32761GH, MFT=Epson, MPN=FC-13532.7680KA-AG5, TYPE=SMD
Y2: "CRYSTAL 32.0000MHZ 9PF SMD", APN=XZ-00326FH, MFT=Abracon, MPN=ABM8-32.000MHZ-9-D1G-T, TYPE=SMD

## Free pads (board coordinates)
  rect 3.988x3.175 smd: 1(48.879,13.658)
  rrect90% 1.9x0.75 / inner rrect90% 1.9x0.75 / far side rrect90% 2.1x0.8 hole 0.4 slot 1.5 at 0 deg mask+0.102: SHIELD(23.456,9.743) SHIELD(23.456,23.491) SHIELD(45.063,9.743) SHIELD(45.063,23.491)
  round 4.5 hole 3.2: ""(-5,12) ""(-5,50.1) ""(68.1,50.1)
  round 2.5 hole 1.5: ""(66.924,28.775) ""(66.924,39.246) ""(71.115,4.011) ""(71.115,11.011) ""(71.115,18.011) ""(71.205,7.511) ""(71.205,14.511) ""(71.205,21.511) ""(75.396,32.275) ""(75.396,42.746)

## Via types
v1: diameter 0.51, hole 0.2, L1_Top to L4_Bot, 180 vias
v2: diameter 0.508, hole 0.203, L1_Top to L4_Bot, 127 vias
v3: diameter 0.508, hole 0.254, L1_Top to L4_Bot, 65 vias
v4: diameter 0.508/0.508/0.508/0.508 (per signal layer), hole 0.254, L1_Top to L4_Bot, tented both sides, 54 vias
v5: diameter 0.508/0.508/0.508/0.762 (per signal layer), hole 0.254, L1_Top to L4_Bot, tented top, 12 vias
v6: diameter 0.61, hole 0.305, L1_Top to L4_Bot, 9 vias

## Nets (pads, with @x,y where several pads share a name; then routed paths per layer and width w, separated by ;. In a path a pad name is that pad's centre, name@x,y a point inside that pad or via, vN(x,y) a via of type N, cw(c..) or ccw(c..) an arc to the next point about the centre after c; other vN are vias at no path point)
ACC_CS_L: R36.1 U12.10 | length 2.4
  L1_Top w0.254: R36.1@20.38,49.767 v5(20.38,50.605) ; R36.1@20.38,49.767 U12.10@21.975,49.768
ACC_INT1_L: R40.1 U12.5 | length 3.3
  L1_Top w0.254: U12.5@23.475,48.755 23.965,48.755 24.401,48.319 24.401,47.876 24.593,47.684 R40.1@25.171,47.684 25.171,47.286 v5(24.807,46.922)
ACC_INT2_L: R41.1 U12.6 | length 2.5
  L1_Top w0.254: U12.6@23.475,49.255 R41.1@25.171,49.255 v5(25.171,50.089)
ANT1: C31.2 L6.2 U9.15 | length 2.4
  L1_Top w0.262: U9.15@42.508,18.151 43.641,18.151 L6.2@43.655,18.165 43.655,17.176 C31.2@43.479,17
BOUT: R6.1 R12.1 U9.23 | length 4.5
  L1_Top w0.2: R6.1@38.761,20.972 39.28,21.491 40.06,21.491 40.708,20.843 U9.23@40.708,20.451
  L1_Top w0.3: R12.1@37.873,20.067 37.873,20.721 38.125,20.972 R6.1@38.761,20.972
CPS: U7.4 U9.21 | length 11.9
  L1_Top w0.2: U9.21@41.508,20.451 41.508,20.795 v1(41.824,21.198) ; v1(42.724,12.426) 43.595,12.426 43.601,12.432 U7.4@43.606,12.428
  L4_Bot w0.2: v1(41.824,21.198) 42.548,21.198 43.428,20.319 43.428,13.13 v1(42.724,12.426)
CSD: U9.20 U11.4 | length 11.8
  L1_Top w0.2: U11.4@40.113,12.438 40.278,12.274 v1(40.278,11.475) ; U9.20@41.908,20.451 v1(42.436,20.448)
  L4_Bot w0.2: v1(40.278,11.475) 41.56,12.757 41.56,14.194 42.934,15.568 42.934,19.95 v1(42.436,20.448)
DALI_P: D3.3 P1.3 pad.@75.396,32.275 Q2.2 T2.1 U4.4 | length 139.5
  L1_Top w0.508: D3.3@6.597,22.667 v4(7.173,22.667) ; v4(8.594,28.238) Q2.2@10.126,28.238 Q2.2@10.126,25.563 ; v4(11.397,18.67) U4.4@12.362,18.67
  L1_Top w1.27: T2.1@60.3,34.055 60.344,34.011 P1.3@73.66,34.011 pad.@75.396,32.275
  L3_PWR_GND w1.27: 5.808,17.873 5.808,2.879 7.477,1.21 75.472,1.21 77.25,2.988 77.25,30.42 pad.@75.396,32.275
DALI_RX: "Jennic pinout.14" R8.1 TP6.1 U3.4 U6.31 | length 28.7
  L1_Top w0.15: v2(10.897,14.24) 11.166,14.509 15.083,14.509 16.741,16.166 v2(19.781,16.166) ; v2(20.629,17.014) 21.688,17.014 ; v1(25.143,19.917) 25.285,20.059 U6.31@26.07,20.059
  L1_Top w0.152: TP6.1@9.162,10.529 TP6.1@9.175,10.542 R8.1@10.897,10.542 ; U3.4@10.254,12.37 10.254,11.558 10.897,10.915 R8.1@10.897,10.542 ; v2(10.897,9.788) R8.1@10.897,10.542
  L4_Bot w0.15: 10.897,10.369 v2(10.897,14.24) ; v2(19.781,16.166) v2(20.629,17.014) 23.535,17.014 24.485,17.964 24.485,19.724 24.679,19.917 v1(25.143,19.917)
  L4_Bot w0.152: v2(10.897,9.788) 10.897,10.369
DALI_TX: "Jennic pinout.16" R10.2 TP7.1 U6.33 | length 18.8
  L1_Top w0.15: R10.2@13.615,10.542 13.615,13.279 14.438,14.102 TP7.1@17.27,14.102 19.57,14.102 19.942,14.474 21.688,14.474 22.512,14.474 22.873,14.835 22.873,16.88 23.494,17.502 24.016,17.502 25.573,19.059 U6.33@26.07,19.059
  L1_Top w0.152: R10.2@13.615,10.542 R10.2@13.631,10.558
DALI_TX_ISO: Q2.3 R9.1 | length 4
  L1_Top w0.381: v5(7.575,25.563) Q2.3@8.626,25.563 8.626,24.794 9.644,23.776 R9.1@10.414,23.776
DALI_TX_ISO_R: R9.2 R11.2 U4.3 | length 9.2
  L1_Top w0.152: R9.2@11.414,23.776 12.006,23.776 13.784,23.776 14.902,22.658 14.902,20.964 ; R11.2@13.632,20.964 14.902,20.964 ; U4.3@14.902,18.67 14.902,20.964
DALI_TX_R: R10.1 U4.2 | length 2.8
  L1_Top w0.152: U4.2@14.902,12.37 14.902,11.278 14.615,10.991 R10.1@14.615,10.542 v5(15.436,10.542)
DIO2: U6.18 U11.1 | length 17
  L1_Top w0.15: U6.18@31.87,19.059 32.312,19.059 33.011,19.758 33.011,21.174 32.984,21.277 32.525,21.737 v1(32.579,21.742) ; U11.1@37.913,13.738 37.913,14.753 v1(37.999,14.839)
  L4_Bot w0.15: v1(32.579,21.742) 32.694,21.742 33.216,20.605 33.216,18.172 33.516,17.872 36.876,17.872 37.178,17.571 38.15,17.571 38.728,16.992 38.728,15.568 v1(37.999,14.839)
DIO3: U6.19 U7.2 U9.24 U11.2 | length 22.7
  L1_Top w0.2: U6.19@31.87,19.559 32.284,19.559 32.478,19.753 32.478,20.866 v1(32.52,20.908) ; v1(39.591,20.846) 40.115,20.846 40.308,20.652 U9.24@40.308,20.451
  L1_Top w0.262: U11.2@37.913,13.088 v1(38.803,13.088) 41.315,13.088 U7.2@41.333,13.072
  L3_PWR_GND w0.2: v1(32.52,20.908) 34.518,20.654 34.954,20.218 35.49,20.218 36.026,19.682 36.42,19.682 36.713,19.975 38.695,19.975 39.17,20.451 v1(39.591,20.846)
  L4_Bot w0.2: v1(38.803,13.088) 38.803,13.121 39.34,13.658 39.34,14.957 39.976,15.593 39.976,19.397 39.557,19.816 39.557,20.432 v1(39.591,20.846)
E0: R13.2 U8.1 | length 2.9
  L1_Top w0.203: R13.2@11.32,40.936 U8.1@11.32,43.79
E1: R25.2 U8.2 | length 2.9
  L1_Top w0.203: R25.2@12.59,40.936 U8.2@12.59,43.79
E2: R26.2 U8.3 | length 2.9
  L1_Top w0.203: R26.2@13.86,40.936 U8.3@13.86,43.79

## Text inside footprints (layer, text, board x,y; h text height)
U7: Mechanical 22 "3" at 41.002,12.65 h0.64 r270; Mechanical 22 "5" at 43.202,13.95 h0.64 r270; Mechanical 22 "1" at 41.002,13.95 h0.64 r270; Mechanical 22 "2" at 41.002,13.3 h0.64 r270; Mechanical 22 "4" at 43.202,12.65 h0.64 r270; Mechanical 24 "U4" at 41.478,11.705 h0.4 r270; Mechanical 25 "pad0_9x0_4mm" at 36.845,17.415 h0.79 r270; Mechanical 25 "Pitch:0.65mm" at 38.058,17.39 h0.79 r270
U9: Mechanical 22 "13" at 42.16,17.225 h0.25; Mechanical 22 "3" at 39.767,18.822 h0.25; Mechanical 22 "4" at 39.767,18.422 h0.25; Mechanical 22 "7" at 39.767,17.222 h0.25; Mechanical 22 "8" at 40.237,16.987 h0.25 r90; Mechanical 22 "17" at 42.16,18.825 h0.25; Mechanical 22 "18" at 42.157,19.235 h0.25; Mechanical 22 "16" at 42.16,18.425 h0.25; Mechanical 22 "14" at 42.16,17.625 h0.25; Mechanical 22 "9" at 40.637,16.987 h0.25 r90; Mechanical 22 "10" at 40.837,16.987 h0.25 r90; Mechanical 22 "11" at 41.237,16.987 h0.25 r90; Mechanical 22 "12" at 41.637,16.987 h0.25 r90; Mechanical 22 "28" at 41.397,19.176 h0.25; Mechanical 22 "27" at 41.397,17.726 h0.25; Mechanical 22 "26" at 40.447,17.726 h0.25; Mechanical 22 "25" at 40.447,19.176 h0.25; Mechanical 22 "5" at 39.767,18.022 h0.25; Mechanical 22 "19" at 42.157,19.635 h0.25; Mechanical 22 "22" at 40.821,20.512 h0.25 r90; Mechanical 22 "24" at 40.021,20.512 h0.25 r90; Mechanical 22 "21" at 41.221,20.512 h0.25 r90; Mechanical 22 "20" at 41.621,20.512 h0.25 r90; Mechanical 22 "1" at 39.767,19.622 h0.25; Mechanical 22 "2" at 39.767,19.222 h0.25; Mechanical 22 "6" at 39.767,17.622 h0.25; Mechanical 22 "23" at 40.421,20.512 h0.25 r90; Mechanical 22 "15" at 42.16,18.025 h0.25; Mechanical 24 "U3" at 42.758,20.419 h0.4
U11: Mechanical 22 "4" at 39.779,12.667 h0.64 r270; Mechanical 22 "2" at 37.579,13.317 h0.64 r270; Mechanical 22 "1" at 37.579,13.967 h0.64 r270; Mechanical 22 "5" at 39.779,13.967 h0.64 r270; Mechanical 22 "3" at 37.579,12.667 h0.64 r270; Mechanical 24 "U4" at 38.054,11.722 h0.4 r270; Mechanical 25 "Pitch:0.65mm" at 34.634,17.406 h0.79 r270; Mechanical 25 "pad0_9x0_4mm" at 33.421,17.432 h0.79 r270
Y2: Mechanical 22 "2" at 30.191,10.657 h0.64; Mechanical 22 "4" at 27.991,12.257 h0.64; Mechanical 22 "1" at 27.991,10.657 h0.64; Mechanical 22 "3" at 30.191,12.257 h0.64; Mechanical 24 "Y1" at 28.935,9.644 h0.4; Mechanical 25 "pad56x48" at 26.653,8.46 h0.79; Mechanical 25 "pitch:2.2mm" at 26.678,7.342 h0.79